# Altium PCB COPY_HIVE_BOARD.PcbDoc (part 6 of 9) (continued)
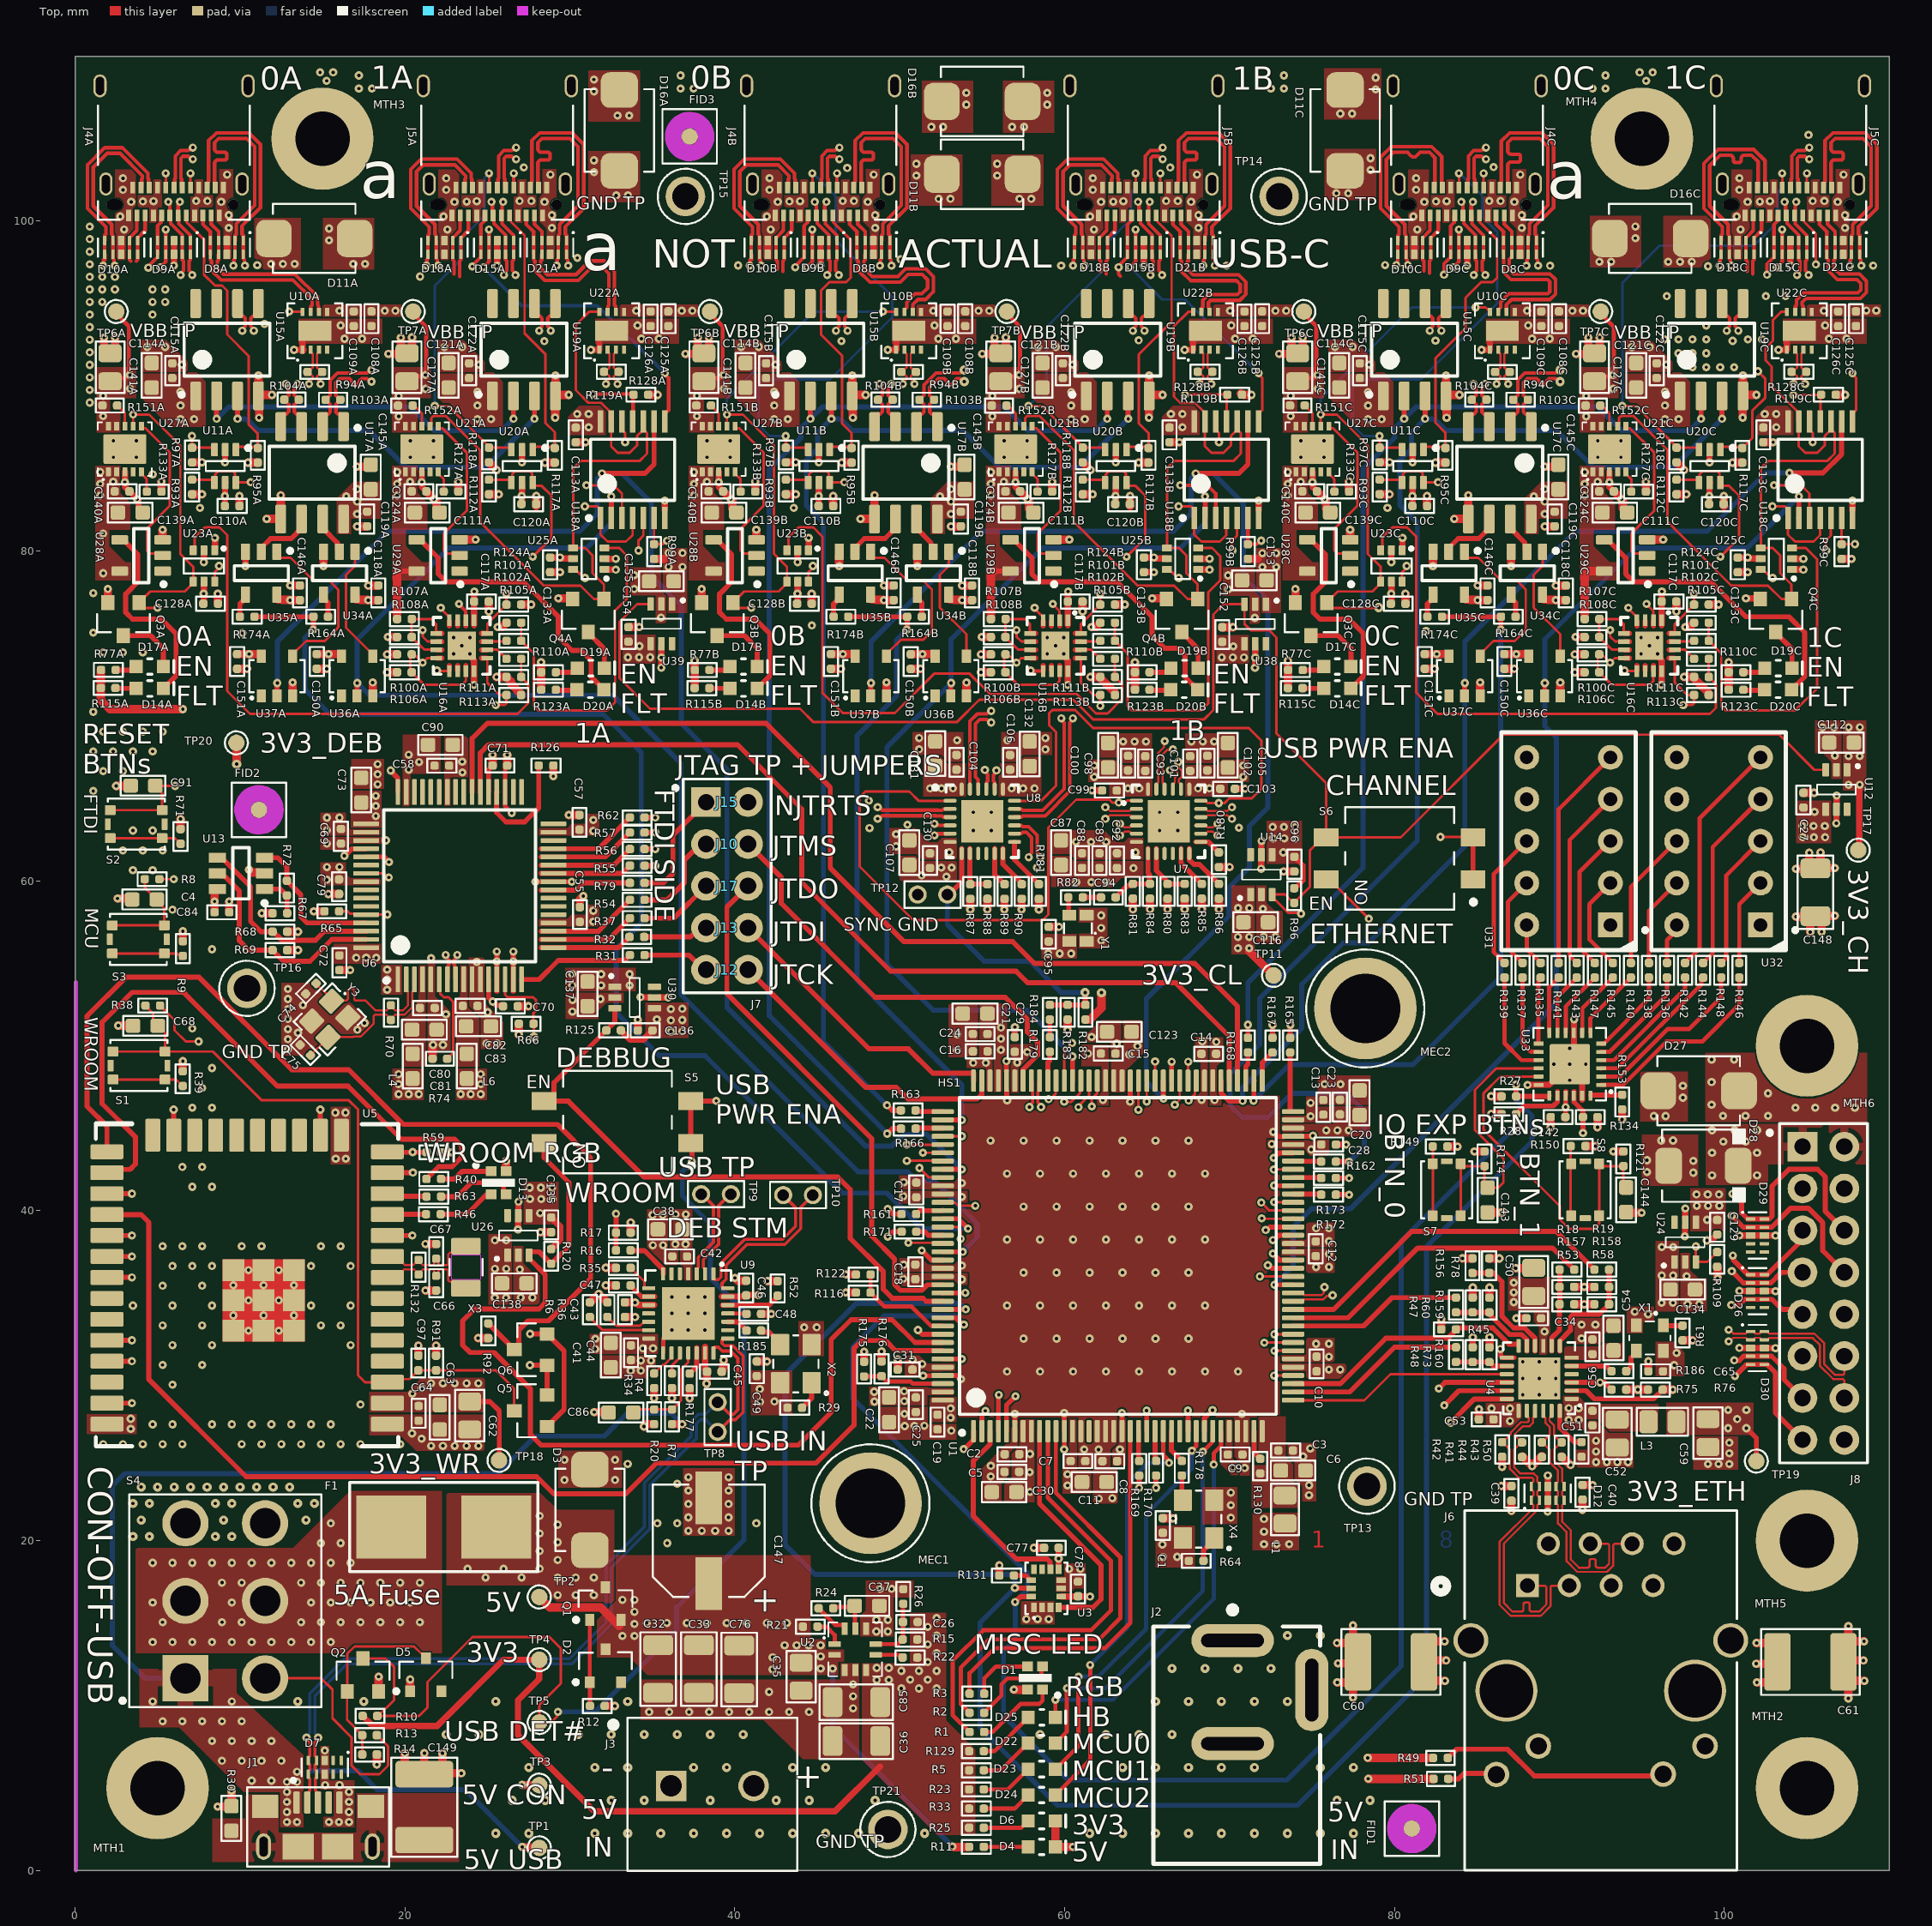
[diagram p0: Top view]
## Nets (pads, with @x,y where several pads share a name; then routed paths per layer and width w, separated by ;. In a path a pad name is that pad's centre, name@x,y a point inside that pad or via, vN(x,y) a via of type N, cw(c..) or ccw(c..) an arc to the next point about the centre after c; other vN are vias at no path point) (continued)
  Top w0.305: U6.13@25.571,53.292 U6.13@25.571,54.022 v1(25.571,55.123) v1(25.571,55.715) ; U6.15@26.571,53.292 U6.15@26.571,54.022 v1(26.571,55.123) v1(26.571,55.715) ; v1(27.904,59.946) v1@30.105,59.946 ; v1@51.424,30.005 U1.141@52.023,30.005 ; U1.141@52.601,30.014 52.604,30.017 53.172,30.017 53.179,30.023 53.44,30.023 53.666,29.797 v1(53.716,29.797) ; U1.104@56.467,48.468 v1@56.467,49.067 ; v1@56.49,46.707 U1.104@56.49,47.306 ; U1.6@56.982,27.17 v1(56.982,27.692) ; v1(59.969,25.527) 59.979,25.536 U1.12@59.979,26.637 ; v1(59.969,27.737) 59.969,27.215 59.974,27.211 U1.12@59.976,26.639 U1.12@59.976,26.639 ; v1@63.976,46.614 U1.89@63.976,47.889 ; v1@72.644,44.769 72.911,44.502 U1.69@73.27,44.502 ; U1.69@73.851,44.514 73.854,44.517 74.422,44.517 74.432,44.526 75.031,44.526 v1(75.051,44.546)
  Top w0.381: D10A.8@2.8,97.982 D10A.3@2.8,98.817 D10A.3@2.809,98.827 ; U27A.3@3.023,84.797 3.025,84.795 3.025,83.889 C140A.1@3.296,83.617 3.843,83.071 3.843,82.575 4.084,82.334 C139A.2@4.097,82.334 ; v1@6,97.307 D9A.8@6,97.982 D9A.3@6,98.817 ; U23A.2@7.798,79.934 7.803,79.928 v1(7.803,79.328) ; v1@9.093,85.454 U11A.2@9.093,85.979 ; D8A.8@9.2,98.149 D8A.3@9.2,98.817 D8A.3@9.2,98.984 ; C110A.2@9.964,82.733 C110A.2@9.97,82.728 ; U35A.3@10.319,79.692 10.325,79.686 v1(10.325,79.086) ; v1(13.274,92.194) U10A.1@13.78,92.194 ; U10A.1@13.786,92.201 13.786,92.941 14.196,93.351 U10A.9@14.536,93.351 ; U21A.3@21.023,84.797 21.025,84.795 21.025,83.889 C124A.1@21.296,83.617 ; D18A.3@22.4,98.817 D18A.3@22.41,98.827 ; U29A.3@23.298,80.696 U29A.3@23.308,80.686 ; v1(23.444,74.256) 24.003,73.697 24.072,73.697 24.103,73.665 24.103,73.464 24.194,73.374 U16A.12@24.194,72.706 24.194,71.882 v1(24.181,71.882) ; v1@25.59,97.298 D15A.8@25.59,97.973 ; D15A.3@25.59,98.808 D15A.8@25.59,97.973 ; D15A.3@25.6,98.817 D15A.8@25.6,97.982 D15A.8@25.59,97.973 ; v1@26.859,38.864 U26.5@26.859,39.478 ; U26.5@26.876,39.937 v1@26.876,40.551 ; v1@27.093,85.454 U20A.2@27.093,85.979 ; v1(31.274,92.194) 31.78,92.194 U22A.1@31.786,92.201 U22A.9@31.786,92.941 ; U25A.2@32.182,79.527 v1(32.782,79.527) ; v1@34.28,52.944 U30.5@34.894,52.944 ; U30.5@35.353,52.927 v1@35.967,52.927 ; v1@35.542,72.927 v1(35.542,73.542) ; v1@35.547,73.542 U39.5@35.547,74.156 ; U18A.7@35.755,82.449 v1(35.755,83.049) ; U27B.3@39.025,84.795 39.025,83.889 C140B.1@39.296,83.617 ; C139B.2@39.843,82.575 40.084,82.334 C139B.2@40.097,82.334 ; D10B.8@42,97.983 D10B.3@42,98.817 D10B.3@42.01,98.827 ; U23B.2@43.798,79.934 43.803,79.928 v1(43.803,79.328) ; v1@45.093,85.454 U11B.2@45.093,85.979 ; v1@45.2,97.308 D9B.3@45.2,98.817 ; D8B.8@48.4,98.15 D8B.3@48.4,98.985 ; v1(49.274,92.194) 49.78,92.194 U10B.1@49.786,92.201 49.786,92.941 50.196,93.351 U10B.9@50.536,93.351 ; C29.1@56.972,50.521 C29.1@56.972,50.528 v1@56.972,51.135 ; U21B.3@57.025,84.795 57.025,83.889 C124B.1@57.296,83.617 ; v1(59.444,74.256) 60.003,73.697 60.072,73.697 60.103,73.665 60.103,73.464 60.194,73.374 U16B.12@60.194,72.706 60.194,71.882 v1(60.181,71.882) ; D18B.3@61.6,98.817 D18B.3@61.61,98.827 ; v1@61.654,65.481 C99.1@62.268,65.481 ; v1@63.093,85.454 U20B.2@63.093,85.979 ; v1@64.791,97.298 D15B.8@64.791,97.973 ; D15B.3@64.791,98.808 D15B.8@64.791,97.973 ; D15B.3@64.8,98.817 64.8,97.983 D15B.8@64.791,97.973 ; C133B.1@64.807,78.717 v1(65.406,78.717) ; v1(67.274,92.194) 67.78,92.194 U22B.1@67.786,92.201 U22B.9@67.786,92.941 ; U25B.2@68.182,79.527 v1(68.782,79.527) ; C103.1@70.32,65.583 v1@70.934,65.583 ; v1@71.542,72.916 v1(71.542,73.531) ; v1@71.547,73.531 U38.5@71.547,74.145 ; U18B.7@71.755,82.449 v1(71.755,83.049) ; v1@71.912,60.733 U14.5@71.912,61.347 ; U14.5@71.929,61.806 v1@71.929,62.42 ; U27C.3@75.025,84.795 75.025,83.889 C140C.1@75.296,83.617 ; C28.1@76.446,44.017 v1@77.06,44.017 ; U23C.2@79.798,79.934 79.803,79.928 v1(79.803,79.328) ; v1@81.093,85.454 U11C.2@81.093,85.979 ; D10C.8@81.2,97.982 D10C.3@81.2,98.817 D10C.3@81.21,98.827 ; v1@84.4,97.308 D9C.3@84.4,98.817 ; v1(85.274,92.194) 85.78,92.194 U10C.1@85.786,92.201 85.786,92.941 86.196,93.351 U10C.9@86.536,93.351 ; D8C.8@87.6,98.15 D8C.3@87.6,98.985 ; v1@88.018,47.636 U33.18@88.724,47.636 89.374,47.636 v4(90.624,48.886) ; v1@89.287,21.767 D12.3@89.287,22.442 D12.8@89.287,23.277 v1@89.287,23.952 ; v1(90.881,51.613) 90.881,49.143 v4(90.624,48.886) ; U33.23@91.374,46.745 U33.23@91.374,46.986 91.374,48.136 v4(90.624,48.886) ; U21C.3@93.025,84.795 93.025,83.889 C124C.1@93.296,83.617 ; v1@94.748,29.156 v1@94.75,29.154 ; v1(95.444,74.256) 96.003,73.697 96.072,73.697 96.103,73.665 96.103,73.464 96.194,73.374 U16C.12@96.194,72.706 96.194,71.882 v1(96.181,71.882) ; v1@97.606,38.454 U24.5@97.606,39.068 ; U24.5@97.622,39.527 v1@97.622,40.141 ; v1(98.933,38.202) 98.965,38.234 99.239,38.234 C129.2@99.56,38.556 ; v1@99.093,85.454 U20C.2@99.093,85.979 ; D18C.3@100.8,98.817 D18C.3@100.81,98.827 ; v1@100.907,31.68 D30.3@101.582,31.68 D30.8@102.417,31.68 v1@103.093,31.68 ; v1@100.907,35.132 D26.3@101.582,35.132 D26.8@102.417,35.132 v1@103.093,35.132 ; v1@100.907,38.5 D29.3@101.582,38.5 D29.8@102.417,38.5 v1@103.093,38.5 ; v1(101.301,77.133) Q4C.2@101.901,77.133 ; v1(103.274,92.194) 103.78,92.194 U22C.1@103.786,92.201 U22C.9@103.786,92.941 ; v1@103.991,97.298 D15C.8@103.991,97.973 ; D15C.3@103.991,98.808 D15C.8@103.991,97.973 ; D15C.3@104,98.817 D15C.8@104,97.982 D15C.8@103.991,97.973 ; U25C.2@104.182,79.527 v1(104.782,79.527) ; v1@106.785,63.491 U12.5@106.785,64.105 ; U12.5@106.801,64.563 v1@106.801,65.178 ; U18C.7@107.755,82.449 v1(107.755,83.049)
  Top w0.508: C141A.1@1.75,92.337 v1(1.75,92.937) ; Q3A.2@1.989,77.095 v1(1.989,77.695) ; C141A.1@2.433,92.353 v1(2.433,92.953) ; v1@2.496,65.755 C91.2@3.11,65.755 ; v1@2.576,58.932 C4.2@3.19,58.932 ; v1@2.619,51.221 C68.2@3.234,51.221 ; R133A.2@5.234,83.609 v1(5.234,84.209) ; U28A.3@5.308,80.686 v1(5.308,81.286) ; R71.1@6.397,63.138 v1@6.397,63.753 ; R39.1@6.53,48.454 v1@6.53,49.068 ; R9.1@6.535,56.336 v1@6.535,56.951 ; R97A.2@7.089,85.37 R97A.2@7.095,85.376 v1(7.694,85.376) ; v1@8.644,3.874 R30.1@9.258,3.874 ; v1(8.658,77.408) 8.658,76.808 C128A.1@8.663,76.802 ; C84.2@9.346,58.098 v1(9.346,58.749) ; R30.1@9.481,4.224 v1@9.481,4.839 ; C151A.2@9.83,72.86 v1(10.43,72.86) ; C110A.2@9.964,82.733 v1(9.964,83.333) ; v1(10.541,60.681) 10.716,60.505 U13.2@11.18,60.505 ; U15A.4@11.121,90.045 v1(11.121,90.645) ; v1(11.158,88.079) U15A.4@11.158,88.679 ; U15A.4@11.335,89.467 v1(11.935,89.467) ; v1(11.621,81.946) 12.466,81.946 U17A.5@12.47,81.942 ; U17A.5@12.47,81.942 v1(12.471,83.379) ; v1(13.035,77.908) C146A.2@13.635,77.908 C146A.2@13.641,77.914 ; U37A.3@13.191,71.439 v1(13.191,72.039) ; U10A.1@13.78,92.194 U10A.1@13.786,92.201 ; v1(14.469,58.155) R65.2@15.12,58.155 ; C150A.2@14.656,72.86 v1(15.256,72.86) ; U34A.3@15.059,79.692 15.064,79.686 v1(15.064,79.086) ; v1(15.353,59.203) C79.2@16.005,59.203 ; C72.2@16.027,54.593 v1(16.679,54.593) ; v1(17.094,85.115) 17.571,85.115 C145A.2@17.703,85.247 ; v1(17.101,81.492) 17.701,81.492 C119A.2@17.707,81.497 ; v1(17.78,77.903) 18.379,77.903 C118A.2@18.385,77.908 ; U36A.3@18.048,71.428 v1(18.048,72.027) ; v1@18.301,6.421 R14.1@18.301,7.036 ; Q2.2@18.406,11.141 v1@18.406,11.755 ; v1(18.921,72.649) R106A.2@19.521,72.649 ; v1(18.965,74.792) R108A.1@19.565,74.792 ; v1(19,91.953) C127A.1@19.6,91.953 ; C127A.1@19.75,92.337 v1(19.75,92.937) ; C149.1@19.989,6.506 v1@19.989,7.121 ; D5.1@20.319,10.934 v1@20.319,11.549 ; C127A.1@20.433,92.353 v1(20.433,92.953) ; C97.1@20.812,31.215 v1@20.812,31.83 ; C149.1@21.171,6.506 v1@21.171,7.121 ; v1(21.244,35.167) C66.1@21.895,35.167 ; v1(21.244,37.986) C67.1@21.895,37.986 ; C124A.1@21.296,83.617 21.759,83.155 v1(21.759,83.137) 21.906,82.99 21.906,82.511 22.084,82.334 C111A.2@22.097,82.334 ; R74.1@21.675,49.217 21.675,50.023 v1(21.707,50.055) ; R59.1@22.197,43.546 v1(22.848,43.546) ; C149.1@22.27,6.494 v1@22.27,7.109 ; C149.1@22.806,5.903 v1@23.421,5.903 ; R127A.2@23.24,83.604 v1(23.24,84.203) ; U29A.3@23.298,80.696 v1(24.282,80.696) ; C117A.1@25.078,76.942 C117A.1@25.081,76.939 25.084,76.936 v1(25.084,76.336) ; R118A.2@25.089,85.37 R118A.2@25.095,85.376 25.552,84.918 v1(25.552,84.912) ; C71.2@26.203,66.991 v1(26.203,67.642) ; C70.2@26.835,52.4 v1(27.486,52.4) ; v1(27.964,83.333) 27.964,82.733 C120A.2@27.97,82.728 ; v1(28.219,38.702) C135.2@28.87,38.702 ; C133A.1@28.807,78.717 v1(29.406,78.717) ; v1(28.999,66.344) R126.2@28.999,66.995 ; v1(29.108,88.087) 29.108,88.629 U19A.4@29.158,88.679 ; U19A.4@29.121,90.045 v1(29.121,90.645) ; v1(29.301,77.133) Q4A.2@29.901,77.133 ; U19A.4@29.335,89.467 v1(29.935,89.467) ; v1(29.93,63.995) C57.2@30.582,63.995 ; C113A.1@30.355,86.594 v1(30.955,86.594) ; C55.2@30.607,58.407 C55.2@30.607,58.407 30.608,58.87 v1(30.812,59.075) ; v1@31.471,27.79 C86.2@32.085,27.79 ; R12.2@32.109,9.98 v1@32.724,9.98 ; v1@32.179,35.473 C47.1@32.794,35.473 ; C43.1@33.337,33.559 v1@33.951,33.559 ; C154.2@33.553,75.391 v1(34.204,75.391) ; R17.2@33.684,38.674 v1@33.684,39.288 ; C136.2@34.118,50.933 v1(34.118,51.584) ; v1(34.493,26.924) 34.63,27.061 R20.2@35.109,27.061 ; v1@35.109,28.635 R34.2@35.109,29.25 ; v1(37,91.953) C141B.1@37.6,91.953 ; C141B.1@37.75,92.337 v1(37.75,92.937) ; Q3B.2@37.989,77.095 v1(37.989,77.695) ; C141B.1@38.433,92.353 v1(38.433,92.953) ; C45.1@39.203,30.251 39.266,30.314 39.266,30.464 39.331,30.528 39.326,30.532 v1(39.326,30.954) ; C140B.1@39.296,83.617 39.843,83.071 C139B.2@39.843,82.575 ; v1(40.003,35.925) 40.014,35.925 40.182,35.757 40.681,35.757 C46.1@40.686,35.762 ; R133B.2@41.234,83.609 v1(41.234,84.209) ; U28B.3@41.308,80.686 v1(41.308,81.286) ; C49.1@41.334,30.867 v1@41.949,30.867 ; C48.1@41.596,33.746 v1@42.211,33.746 ; v1@41.981,35.737 R52.1@42.596,35.737 ; R97B.2@43.089,85.37 R97B.2@43.095,85.376 v1(43.694,85.376) ; v1(44.658,77.408) 44.658,76.808 C128B.1@44.663,76.802 ; C151B.2@45.83,72.86 v1(46.43,72.86) ; v1(45.964,83.333) 45.964,82.733 C110B.2@45.969,82.728 ; U35B.3@46.319,79.692 46.325,79.686 v1(46.325,79.086) ; v1@46.727,36.135 R122.2@47.341,36.135 ; U15B.4@47.121,90.045 v1(47.121,90.645) ; v1(47.158,88.079) U15B.4@47.158,88.679 ; U15B.4@47.335,89.467 v1(47.935,89.467) ; v1(47.621,81.946) 48.466,81.946 U17B.5@48.47,81.942 v1(48.471,83.379) ; R176.2@48.893,30.861 v1@48.893,31.476 ; v1(49.035,77.908) C146B.2@49.635,77.908 C146B.2@49.641,77.914 ; U37B.3@49.191,71.439 v1(49.191,72.039) ; C31.1@49.879,30.372 v1@49.879,30.987 ; C150B.2@50.656,72.86 v1(51.256,72.86) ; U34B.3@51.059,79.692 51.064,79.686 v1(51.064,79.086) ; v1(53.094,85.115) 53.571,85.115 C145B.2@53.703,85.247 ; v1(53.101,81.492) 53.701,81.492 C119B.2@53.707,81.497 ; v1(53.78,77.903) 54.379,77.903 C118B.2@54.385,77.908 ; U36B.3@54.048,71.428 v1(54.048,72.027) ; v1(54.921,72.649) R106B.2@55.521,72.649 ; v1(54.965,74.792) R108B.1@55.565,74.792 ; v1(55,91.953) C127B.1@55.6,91.953 ; v1(55.31,58.264) R88.1@55.31,58.915 ; C127B.1@55.75,92.337 v1(55.75,92.937) ; C127B.1@56.433,92.353 v1(56.433,92.953) ; C124B.1@57.296,83.617 57.843,83.071 57.843,82.575 58.084,82.334 C111B.2@58.097,82.334 ; v1(57.381,58.262) R90.2@57.381,58.913 ; v1@58.131,19.563 C77.2@58.745,19.563 ; v1(58.438,58.262) R181.2@58.438,58.913 ; C95.1@59.035,57.214 v1@59.65,57.214 ; R127B.2@59.24,83.604 v1(59.24,84.203) ; U29B.3@59.308,80.686 59.298,80.696 v1(60.282,80.696) ; D6.K@59.433,3.006 D4.K@59.433,1.435 v1(60.495,1.435) ; v1(60.179,50.944) R183.1@60.179,51.595 ; C117B.1@61.078,76.942 C117B.1@61.081,76.939 61.084,76.936 v1(61.084,76.336) ; R118B.2@61.089,85.37 R118B.2@61.095,85.376 61.552,84.918 v1(61.552,84.912) ; v1(63.964,83.333) 63.964,82.733 C120B.2@63.97,82.728 ; v1(65.108,88.087) 65.108,88.629 U19B.4@65.158,88.679 ; U19B.4@65.121,90.045 v1(65.121,90.645) ; v1(65.171,58.279) R84.1@65.171,58.93 ; v1(65.301,77.133) Q4B.2@65.901,77.133 ; U19B.4@65.335,89.467 v1(65.935,89.467) ; C1.1@65.957,21.354 v1@66.572,21.354 ; C113B.1@66.355,86.594 v1(66.955,86.594) ; v1(67.274,58.279) R83.1@67.274,58.93 ; v1(69.347,58.277) R86.2@69.347,58.928 ; R180.2@69.347,60.836 v1(69.998,60.836) ; C152.2@69.553,75.38 v1(70.204,75.38) ; v1(73,91.953) C141C.1@73.6,91.953 ; v1(73.271,60.571) C96.2@73.923,60.571 ; C141C.1@73.75,92.337 v1(73.75,92.937) ; Q3C.2@73.989,77.095 v1(73.989,77.695) ; C141C.1@74.433,92.353 v1(74.433,92.953) ; C140C.1@75.296,83.617 75.843,83.071 75.843,82.575 76.084,82.334 C139C.2@76.097,82.334 ; v1@76.511,13.793 C60.2@77.125,13.793 ; v1@76.529,11.404 C60.2@77.143,11.404 ; v1@76.566,12.558 C60.2@77.18,12.558 ; R133C.2@77.234,83.609 v1(77.234,84.209) ; U28C.3@77.308,80.686 v1(77.308,81.286) ; v1@77.475,10.476 C60.2@77.475,11.091 ; C60.2@77.475,14.249 v1@77.475,14.864 ; v1@78.374,6.824 R49.1@82.334,6.824 ; v1@78.405,5.56 R51.1@82.365,5.56 ; R97C.2@79.089,85.37 R97C.2@79.095,85.376 v1(79.694,85.376) ; v1(80.658,77.408) 80.658,76.808 C128C.1@80.663,76.802 ; C151C.2@81.83,72.86 v1(82.43,72.86) ; v1(81.964,83.333) 81.964,82.733 C110C.2@81.969,82.728 ; U35C.3@82.319,79.692 82.325,79.686 v1(82.325,79.086) ; U15C.4@83.121,90.045 v1(83.121,90.645) ; v1(83.158,88.079) U15C.4@83.158,88.679 ; R149.1@83.203,43.897 v1@83.818,43.897 ; U15C.4@83.335,89.467 v1(83.935,89.467) ; v1(83.621,81.946) 84.466,81.946 U17C.5@84.47,81.942 ; U17C.5@84.47,81.942 v1(84.471,83.379) ; v1(85.035,77.908) C146C.2@85.635,77.908 C146C.2@85.641,77.914 ; C53.2@85.11,27.351 v1@85.11,27.965 ; U37C.3@85.191,71.439 v1(85.191,72.039) ; R78.1@85.738,37.117 v1@86.352,37.117 ; R160.1@85.752,31.718 v1@85.752,32.333 ; R159.1@85.752,34.732 v1@85.752,35.347 ; C143.2@85.888,39.895 v1@86.503,39.895 ; v1@86.472,23.308 C39.2@87.086,23.308 ; C150C.2@86.656,72.86 v1(87.256,72.86) ; U34C.3@87.059,79.692 87.064,79.686 v1(87.064,79.086) ; v1@87.339,36.515 C50.1@87.954,36.515 ; v1@87.377,33.482 C34.1@87.992,33.482 ; v1(89.094,85.115) 89.571,85.115 C145C.2@89.703,85.247 ; v1(89.101,81.492) 89.701,81.492 C119C.2@89.707,81.497 ; v1@89.464,45.067 C142.2@89.464,45.681 ; v1(89.78,77.903) 90.379,77.903 C118C.2@90.385,77.908 ; U36C.3@90.048,71.428 v1(90.048,72.027) ; R157.1@90.886,35.384 v1@91.501,35.384 ; v1(90.921,72.649) R106C.2@91.521,72.649 ; v1(90.965,74.792) R108C.1@91.565,74.792 ; v1(91,91.953) C127C.1@91.6,91.953 ; C40.2@91.396,23.378 v1@92.011,23.378 ; v1(91.501,35.379) R158.1@92.115,35.379 ; R150.1@91.568,43.922 v1@92.183,43.922 ; C127C.1@91.75,92.337 v1(91.75,92.937) ; C127C.1@92.433,92.353 v1(92.433,92.953) ; C124C.1@93.296,83.617 93.843,83.071 93.843,82.575 94.084,82.334 C111C.2@94.097,82.334 ; R75.1@94.046,29.162 94.046,29.156 v1@94.748,29.156 ; C144.2@94.362,39.886 v1@94.977,39.886 ; v1@94.75,29.154 R76.1@95.365,29.154 ; R127C.2@95.24,83.604 v1(95.24,84.203) ; U29C.3@95.308,80.686 95.298,80.696 v1(96.282,80.696) ; C65.2@95.386,30.266 v1@95.386,30.88 ; C117C.1@97.078,76.942 C117C.1@97.081,76.939 97.084,76.936 v1(97.084,76.336) ; R118C.2@97.089,85.37 R118C.2@97.095,85.376 97.552,84.918 v1(97.552,84.912) ; R61.1@97.458,32.146 v1@98.072,32.146 ; v1(99.964,83.333) 99.964,82.733 C120C.2@99.97,82.728 ; C133C.1@100.807,78.717 v1(101.406,78.717) ; v1(101.108,88.087) 101.108,88.629 U19C.4@101.158,88.679 ; U19C.4@101.121,90.045 v1(101.121,90.645) ; U19C.4@101.335,89.467 v1(101.935,89.467) ; C113C.1@102.355,86.594 v1(102.955,86.594) ; v1(104.332,57.835) 104.986,57.835 C148.1@104.991,57.83 ; C27.2@104.79,65.34 v1(105.442,65.34) ; v1(105.207,56.897) C148.1@105.207,57.497 ; v1(105.891,56.913) C148.1@105.891,57.513 ; C148.1@106.041,57.898 106.053,57.885 v1(106.694,57.885) ; v1@107.52,10.435 C61.2@107.52,11.049 ; C61.2@107.52,14.208 v1@107.52,14.822 ; C61.2@107.814,12.74 v1@108.429,12.74 ; C61.2@107.852,13.894 v1@108.466,13.894 ; C61.2@107.87,11.506 v1@108.484,11.506
  other v1: 15.392,2.942 16.002,2.942 16.612,2.942 16.612,3.551 8.644,3.879 16.612,4.161 16.612,4.77 9.486,4.839 15.163,5.185 16.037,5.185 78.405,5.567 23.421,5.898 18.296,6.421 78.374,6.831 19.994,7.121 21.176,7.121 22.275,7.109 15.138,7.276 34.807,9.618 36.019,9.618 37.231,9.618 38.443,9.618 39.655,9.618 40.867,9.618 42.079,9.618 43.292,9.618 44.504,9.618 47.174,9.836 32.724,9.975 107.516,10.435 77.479,10.476 47.174,10.565 42.079,10.83 47.174,11.293 76.529,11.409 108.484,11.501 20.32,11.582 18.411,11.755 76.566,12.563 108.429,12.735 76.511,13.798 108.466,13.889 48.583,14.498 49.28,14.498 107.516,14.822 77.479,14.864 48.583,15.195 49.28,15.195 57.675,15.245 58.355,15.245 59.035,15.245 48.806,17.074 49.502,17.074 60.261,18.284 60.951,18.284 58.131,19.568 37.186,20.599 37.998,20.599 38.811,20.599 39.624,20.599 66.572,21.349 70.074,21.388 37.186,21.412 39.624,21.412 89.281,21.767 70.074,22.151 37.186,22.225 39.624,22.225 62.068,22.547 62.885,22.574 74.812,22.759 70.074,22.914 37.186,23.038 39.624,23.038 86.472,23.314 74.815,23.363 92.011,23.373 29.669,23.678 32.743,23.678 37.186,23.851 39.624,23.851 55.518,23.897 89.293,23.952 70.913,24.405 55.522,24.533 99,24.648 99.645,24.648 100.291,24.648 92.217,24.765 92.862,24.765 93.508,24.765 94.153,24.765 29.669,24.897 32.743,24.897 74.446,25.099 100.291,25.293 92.217,25.41 61.187,25.53 62.054,25.523 74.89,25.588 21.587,25.744 22.304,25.744 23.021,25.744 23.738,25.744 24.455,25.744 100.291,25.938 92.217,26.055 21.009,26.179 20.428,26.506 53.126,26.67 3.38,26.779 50.296,26.947 50.892,26.956 51.488,26.966 3.38,27.389 70.749,27.679 50.287,27.685 31.471,27.795 85.115,27.965 35.104,28.635 94.75,29.159 51.418,30.002 56.507,30.252 58.507,30.252 60.507,30.252 62.507,30.252 64.507,30.252 66.507,30.252 68.507,30.252 70.507,30.252 33.689,30.306 34.305,30.306 76.705,30.372 76.022,30.375 41.949,30.862 95.391,30.88 34.305,30.921 34.921,30.921 49.884,30.987 48.898,31.476 100.907,31.686 103.093,31.674 20.817,31.83 98.072,32.14 57.507,32.252 59.507,32.252 61.507,32.252 63.507,32.252 65.507,32.252 67.507,32.252 91.338,32.26 85.757,32.333 10.514,32.734 12.349,32.734 37.179,32.778 38.179,32.778 44.202,32.933 44.965,32.933 91.338,33.096 92.175,33.096 87.377,33.487 33.951,33.553 9.597,33.651 11.432,33.651 13.267,33.651 42.211,33.741 95.376,33.732 36.179,33.778 37.179,33.778 38.179,33.778 94.564,33.884 56.507,34.252 58.507,34.252 60.507,34.252 62.507,34.252 64.507,34.252 66.507,34.252 68.507,34.252 97.769,34.331 98.474,34.328 10.514,34.569 12.349,34.569 27.022,34.741 27.728,34.737 36.179,34.778 37.179,34.778 38.179,34.778 100.907,35.138 103.093,35.126 85.757,35.347 32.179,35.478 9.597,35.486 11.432,35.486 13.267,35.486 41.981,35.742 97.709,36.031 46.727,36.14 57.507,36.252 59.507,36.252 61.507,36.252 63.507,36.252 65.507,36.252 67.507,36.252 10.514,36.404 12.349,36.404 26.963,36.441 87.339,36.52 75.238,36.59 76.022,36.59 53.772,36.678 50.248,36.73 86.352,37.112 76.022,37.375 35.034,37.912 35.649,37.912 56.507,38.252 58.507,38.252 60.507,38.252 62.507,38.252 64.507,38.252 66.507,38.252 68.507,38.252 97.601,38.454 103.093,38.494 100.907,38.506 26.854,38.864 33.689,39.288 35.016,39.742 35.632,39.742 86.503,39.89 94.977,39.881 97.627,40.141 57.507,40.252 59.507,40.252 61.507,40.252 63.507,40.252 65.507,40.252 67.507,40.252 26.881,40.551 53.772,41.678 50.248,41.73 56.507,42.252 58.507,42.252 60.507,42.252 62.507,42.252 64.507,42.252 66.507,42.252 68.507,42.252 98.109,42.311 95.3,42.349 98.109,43.026 95.3,43.063 15.806,43.153 16.416,43.153 83.818,43.892 92.183,43.917 77.06,44.012 55.507,44.252 57.507,44.252 59.507,44.252 61.507,44.252 63.507,44.252 65.507,44.252 67.507,44.252 96.166,44.261 96.88,44.261 72.644,44.78 89.459,45.067 95.721,45.743 96.435,45.743 15.783,45.952 16.393,45.952 63.965,46.614 56.51,46.687 68.301,46.719 97.479,46.859 97.479,47.574 88.062,47.625 76.723,47.669 75.754,47.681 6.535,49.068 56.464,49.073 53.471,49.736 12.902,49.792 22.305,50.055 63.157,50.135 24.939,50.139 25.586,50.153 68.341,50.273 12.902,50.401 61.63,50.538 53.483,50.705 13.517,50.792 17.119,50.97 12.902,51.011 56.977,51.135 2.619,51.226 17.551,51.384 12.902,51.62 22.485,51.912 25.022,52.035 30.154,52.076 12.902,52.23 13.812,52.466 30.157,52.781 12.902,52.84 31.857,52.841 35.967,52.922 34.28,52.949 18.925,53.401 12.902,53.449 18.925,54.011 18.925,54.62 24.353,55.087 21.59,55.321 62.21,56.389 72.075,56.61 72.78,56.607 6.54,56.951 62.21,57.147 59.65,57.209 62.21,57.905 72.015,58.31 2.576,58.937 60.694,59.924 61.612,59.924 62.53,59.924 30.114,59.946 52.825,60.258 51.324,60.333 71.907,60.733 64.167,60.771 52.516,60.803 53.143,60.803 58.325,60.801 15.27,62.252 71.934,62.42 18.847,62.459 48.166,63.204 70.561,63.221 50.466,63.404 106.78,63.491 6.402,63.753 48.125,64.863 106.806,65.178 61.654,65.486 70.934,65.588 2.496,65.76 18.348,65.857 18.348,66.467 20.227,66.748 18.348,67.077 20.858,67.205 106.698,67.601 20.227,67.647 51.177,67.974 58.832,67.974 63.545,68.452 64.235,68.452 64.925,68.452 67.683,68.452 68.372,68.452 69.062,68.452 53.479,68.526 56.53,68.526 51.177,68.664 58.832,68.664 105.933,69.304 106.638,69.3 71.537,72.916 35.537,72.927 22.944,73.756 23.944,73.756 58.944,73.756 59.944,73.756 94.944,73.756 95.944,73.756 22.944,74.756 23.944,74.756 58.944,74.756 59.944,74.756 94.944,74.756 95.944,74.756 35.526,75.957 71.526,75.946 33.904,77.693 69.904,77.682 69.904,78.524 33.904,78.535 3.759,83.137 39.759,83.137 57.759,83.137 75.759,83.137 93.759,83.137 3.023,84.179 21.023,84.179 39.023,84.179 57.023,84.179 75.023,84.179 93.023,84.179 9.093,85.379 27.093,85.379 45.093,85.379 63.093,85.379 81.093,85.379 99.093,85.379 6.473,91.297 24.475,91.294 42.473,91.297 60.475,91.294 78.473,91.297 96.475,91.294 4.382,92.375 22.384,92.373 40.382,92.375 58.384,92.373 76.382,92.375 94.384,92.373 5.456,92.38 23.458,92.377 41.456,92.38 59.458,92.377 77.456,92.38 95.458,92.377 28.453,92.722 46.465,92.726 82.478,92.756 100.496,92.74 64.487,92.775 16.336,92.872 17.405,92.872 34.336,92.872 35.405,92.872 52.336,92.872 53.405,92.872 70.336,92.872 71.405,92.872 88.336,92.872 89.405,92.872 106.336,92.872 107.405,92.872 16.104,93.675 34.104,93.675 52.104,93.675 70.104,93.675 88.104,93.675 106.104,93.675 11.486,93.77 2.413,96.622 20.918,96.638 99.003,97.263 25.585,97.298 64.785,97.298 69.818,97.301 89.426,97.298 103.985,97.298 5.994,97.307 11.044,97.326 40.203,97.317 45.194,97.308 59.784,97.305 84.394,97.308 109.013,97.305 79.422,97.333 16.87,97.409 17.584,97.409 92.415,97.536 93.13,97.536 50.06,97.681 30.454,97.774 15.398,98.836 94.602,98.963 2.973,99.495 22.573,99.495 42.173,99.495 61.773,99.495 81.373,99.495 100.973,99.495 15.398,99.551 9.314,99.593 28.914,99.593 48.514,99.593 68.114,99.593 87.714,99.593 107.314,99.593 94.602,99.678 2.743,100.279 22.343,100.279 41.943,100.28 61.543,100.28 81.143,100.279 100.743,100.279 9.314,100.355 28.914,100.355 48.514,100.355 68.114,100.355 87.714,100.355 107.314,100.355 3.404,101.168 8.865,101.168 23.004,101.168 28.465,101.168 42.604,101.169 48.065,101.169 62.204,101.169 67.665,101.169 81.804,101.168 87.265,101.168 101.404,101.168 106.865,101.168 57.26,101.35 57.975,101.35 2.904,101.898 22.504,101.898 42.104,101.898 61.704,101.898 81.304,101.898 100.904,101.898 2.904,102.602 22.504,102.602 42.104,102.602 61.704,102.602 81.304,102.602 100.904,102.602 55.906,102.76 9.22,102.819 28.82,102.819 48.42,102.82 68.02,102.82 87.62,102.819 107.22,102.819 46.814,103.225 27.209,103.253 66.396,103.251 86.004,103.276 55.906,103.474 105.096,105.225 51.914,105.713 52.629,105.713 32.886,106.398 33.601,106.398 76.711,106.518 77.426,106.518 54.039,107.067 54.039,107.781 31.459,107.87 78.853,107.989 17.209,108.042 18.001,108.042 36.709,108.042 37.501,108.042 72.499,108.042 73.291,108.042 91.999,108.042 92.791,108.042 15.251,108.509 95.249,108.509 31.459,108.584 78.853,108.704 17.209,108.833 36.709,108.833 73.291,108.833 92.791,108.833 14.855,109.017 15.646,109.017 94.854,109.017 95.645,109.017
  other v3: 87.769,28.841 88.769,28.841 89.769,28.841 87.769,29.841 88.769,29.841 89.769,29.841 87.769,30.841 88.769,30.841 89.769,30.841 54.454,63.063 55.554,63.063 65.754,63.063 66.854,63.063 54.454,64.163 55.554,64.163 65.754,64.163 66.854,64.163 2.323,85.682 3.723,85.682 20.323,85.682 21.723,85.682 38.323,85.682 39.723,85.682 56.323,85.682 57.723,85.682 74.323,85.682 75.723,85.682 92.323,85.682 93.723,85.682 2.323,86.682 3.723,86.682 20.323,86.682 21.723,86.682 38.323,86.682 39.723,86.682 56.323,86.682 57.723,86.682 74.323,86.682 75.723,86.682 92.323,86.682 93.723,86.682
  other v4: 90.624,47.916 89.654,48.886 91.594,48.886 90.624,49.856
HW_EN_0A: Q3A.1 U10A.8 U18A.1 U18A.4 U23A.4 U27A.7 | length 78.9
  Top w0.152: U27A.7@3.523,87.567 v1(3.523,88.274) 4.503,88.274 6.38,86.397 6.38,79.825 7.162,79.042 U23A.4@7.162,78.141 7.162,78.051 6.657,77.546 4.559,77.546 Q3A.1@3.883,76.87 4.197,76.556 v1(4.996,76.556) ; v1(12.986,94.518) 13.769,94.518 U10A.8@13.786,94.501 ; v1(30.905,82.709) 31.667,82.709 31.756,82.62 31.756,82.099 U18A.1@31.855,82 31.855,80.995 32.282,80.568 33.408,80.568 33.805,80.965 U18A.4@33.805,82
  Signal_1 w0.152: v1(3.523,88.274) 2.534,89.262 2.534,91.868 2.936,92.27 2.936,97.53 3.556,98.15 7.434,98.15 9.057,96.527 9.057,93.346 9.49,92.912 11.381,92.912 v1(12.986,94.518)
  Signal_2 w0.152: v1(4.996,76.556) 4.996,78.037 7.19,80.23 17.203,80.23 19.218,82.245 30.44,82.245 v1(30.905,82.709)
HW_EN_0B: Q3B.1 U10B.8 U18B.1 U18B.4 U23B.4 U27B.7 | length 66.7
  Top w0.152: U27B.7@39.523,87.567 v1(39.523,88.274) 40.503,88.274 42.38,86.397 42.38,79.825 43.162,79.042 U23B.4@43.162,78.141 43.162,78.051 42.657,77.546 40.559,77.546 Q3B.1@39.883,76.87 40.197,76.556 v1(40.996,76.556) ; v1(48.986,94.518) 49.769,94.518 U10B.8@49.786,94.501 ; v1(66.905,82.709) 67.667,82.709 67.756,82.62 67.756,82.099 U18B.1@67.855,82 67.855,80.995 68.282,80.568 69.408,80.568 69.805,80.965 U18B.4@69.805,82
  Signal_2 w0.152: v1(40.996,76.556) 40.996,78.037 43.19,80.23 53.064,80.23 55.079,82.245 66.44,82.245 v1(66.905,82.709)
  Bottom w0.152: v1@39.52,88.276 39.52,89.244 44.794,94.518 v1(48.986,94.518)
HW_EN_0C: Q3C.1 U10C.8 U18C.1 U18C.4 U23C.4 U27C.7 | length 67.9
  Top w0.152: U27C.7@75.523,87.567 v1(75.523,88.274) 76.503,88.274 78.38,86.397 78.38,79.825 79.162,79.042 U23C.4@79.162,78.141 79.162,78.051 78.657,77.546 76.559,77.546 Q3C.1@75.883,76.87 76.197,76.556 79.029,76.556 v2(79.046,76.572) ; v1(84.912,94.767) 85.52,94.767 U10C.8@85.786,94.501 ; v1(102.905,82.709) 103.667,82.709 103.756,82.62 103.756,82.099 U18C.1@103.855,82 103.855,80.995 104.282,80.568 105.408,80.568 105.805,80.965 U18C.4@105.805,82
  Signal_2 w0.152: v2(79.046,76.572) 79.046,79.8 79.476,80.23 89.728,80.23 91.743,82.245 102.44,82.245 v1(102.905,82.709)
  Bottom w0.152: v1(75.523,88.274) 75.523,89.242 81.048,94.767 v1(84.912,94.767)
HW_EN_1A: Q4A.1 U18A.10 U18A.13 U21A.7 U22A.8 U25A.4 | length 47.7
  Top w0.152: U21A.7@21.523,87.567 21.596,87.641 21.596,88.056 21.723,88.182 22.49,88.182 24.554,86.118 24.554,81.772 28.424,77.903 30.642,77.903 31.453,77.091 Q4A.1@32.062,77.091 32.062,77.968 31.376,78.654 31.376,79.732 30.927,80.18 U25A.4@30.2,80.18 30.2,85.008 30.647,85.454 34.223,85.454 34.675,85.907 34.675,87.162 34.586,87.251 34.554,87.251 U18A.10@34.455,87.35 ; U22A.8@31.786,94.501 31.157,94.501 30.354,93.698 30.354,89.757 31.126,88.985 31.893,88.985 32.406,88.473 32.406,87.949 U18A.13@32.505,87.85 32.505,86.342 32.883,85.963 33.635,85.963 34.084,86.412 34.084,86.979 U18A.10@34.455,87.35 ; U18A.10@34.455,87.85 U18A.10@34.455,87.35